# Altium PCB SmartHaloEE.PcbDoc (part 1 of 3)
Units mil, origin at the board's own origin, x right, y up, seen from the top; angles counter-clockwise.
Board outline 2894.86 x 2467.76 mil, 4 copper layers (Top Layer, Ground Plane, Power Plane, Bottom Layer), stack 66 mil thick; 314 components, 165 nets, 803 pads, 366 vias.
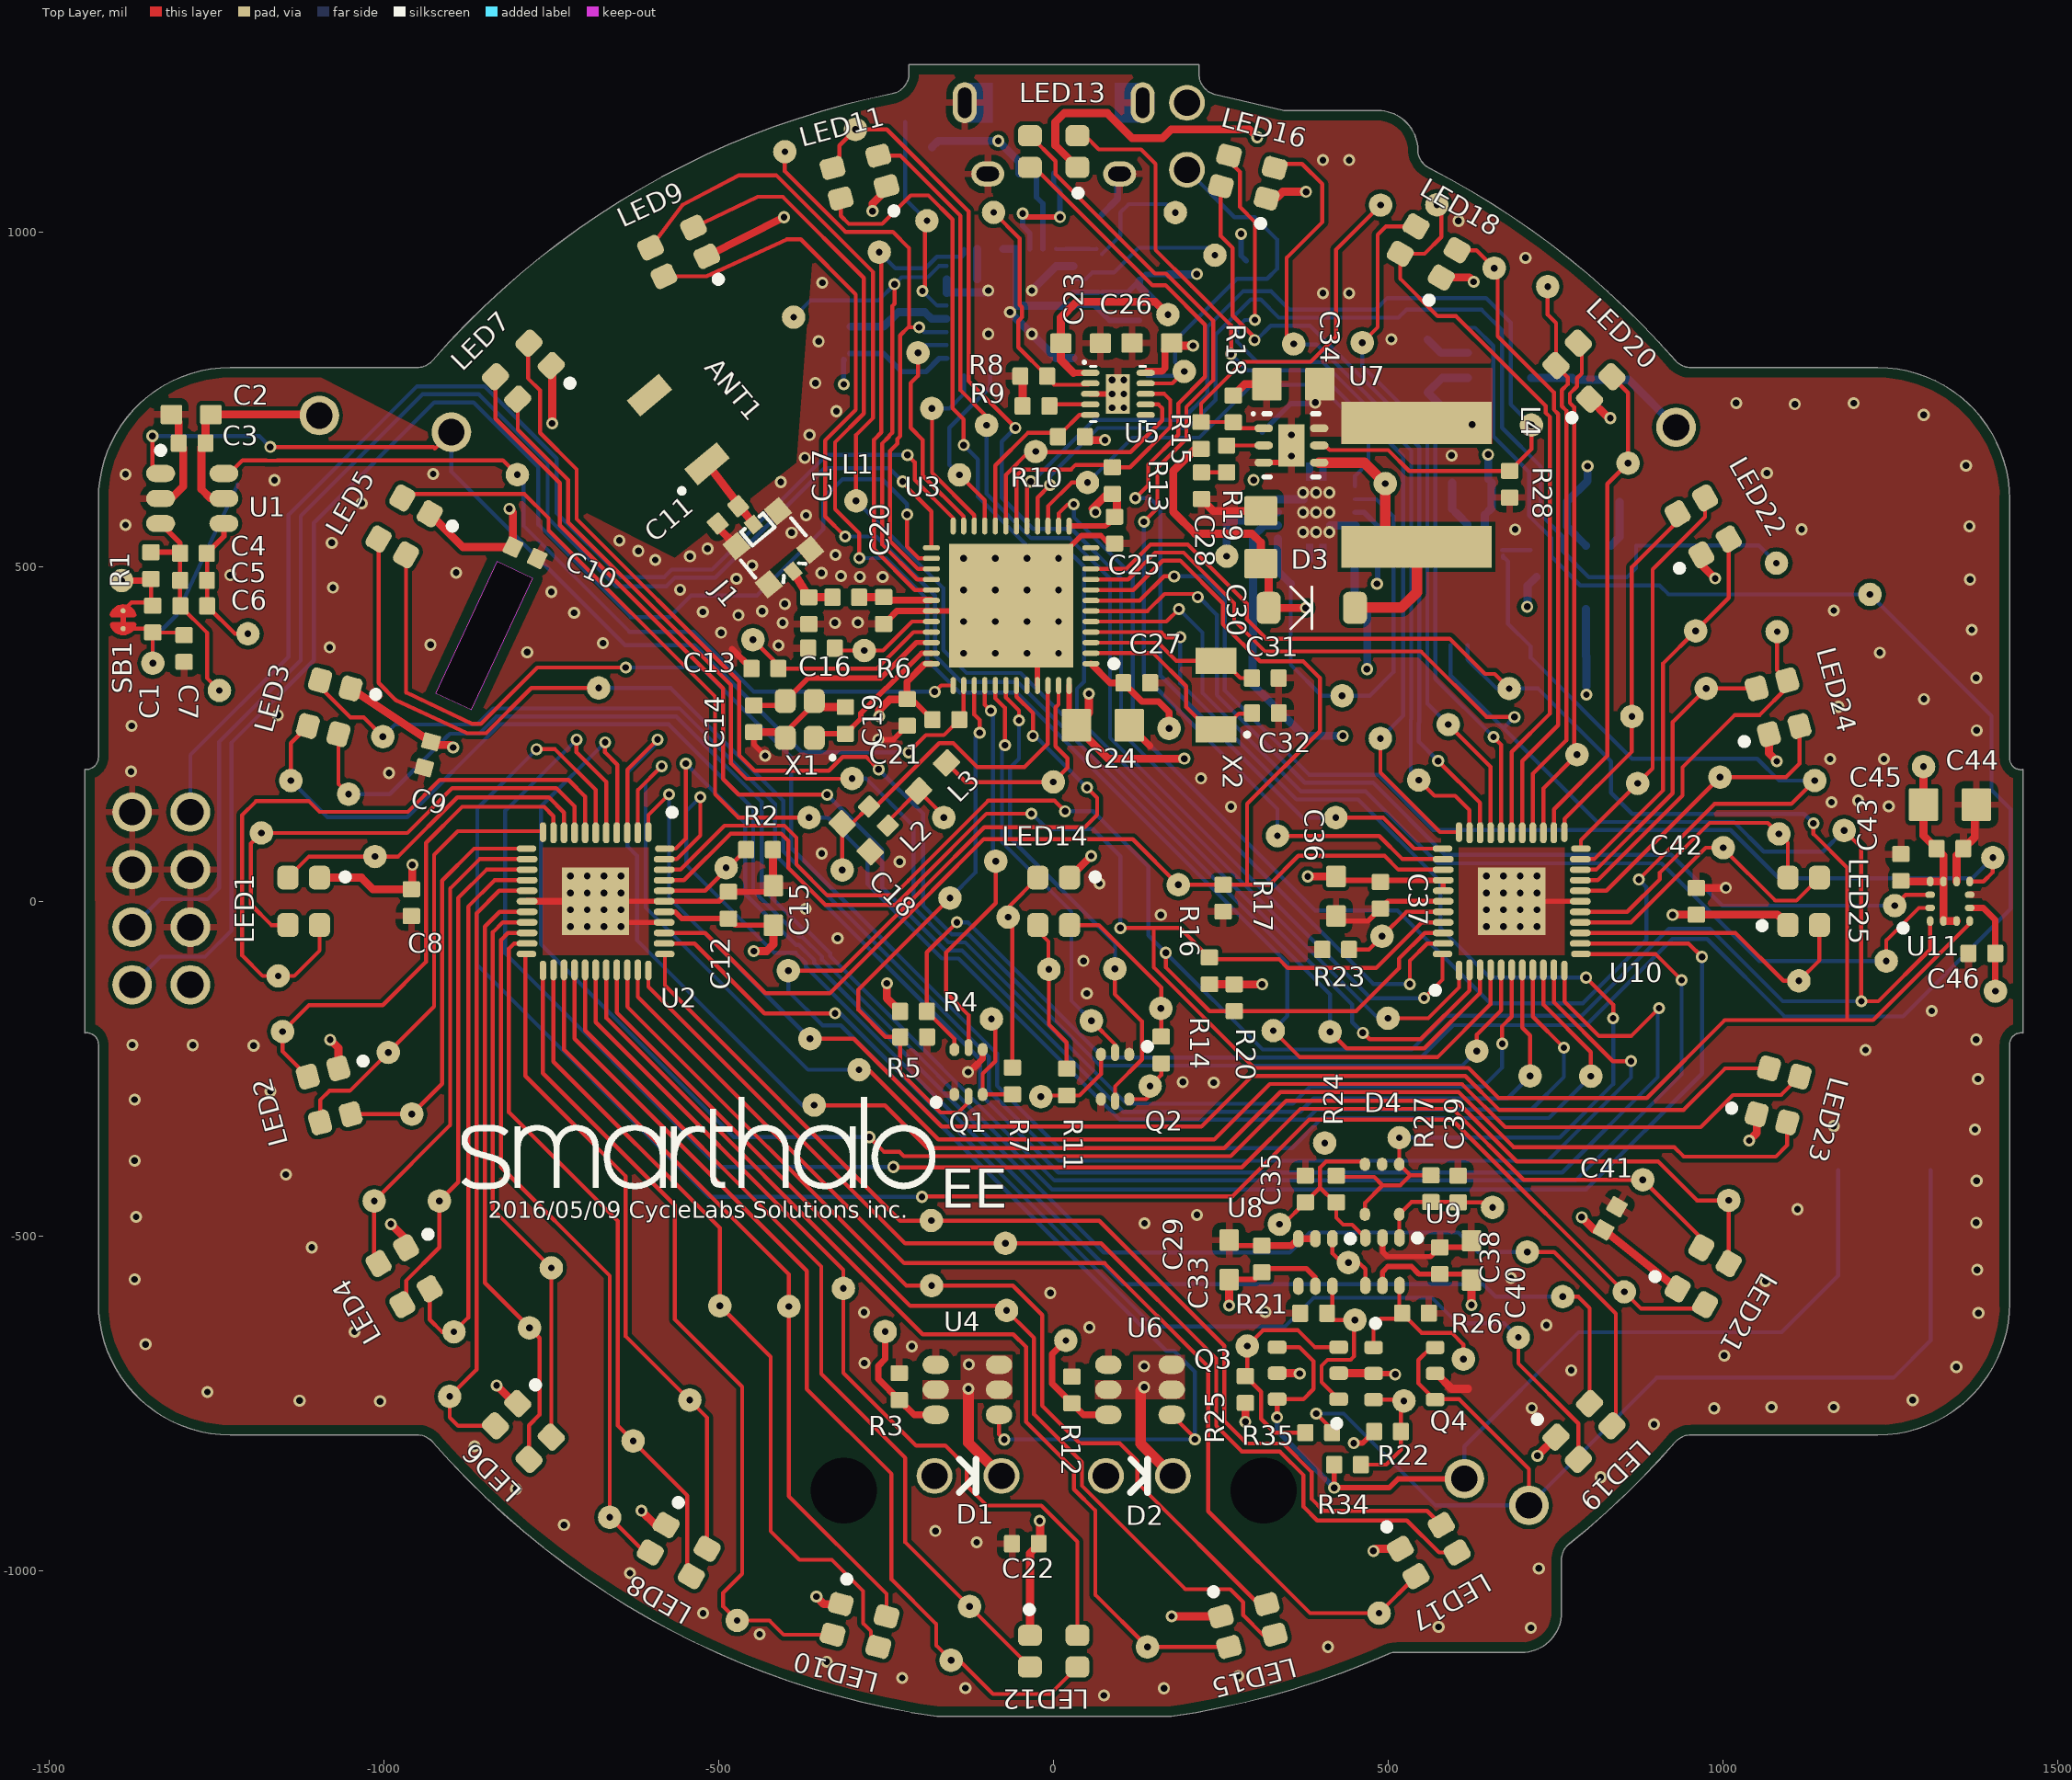
[diagram p0: Top Layer view]
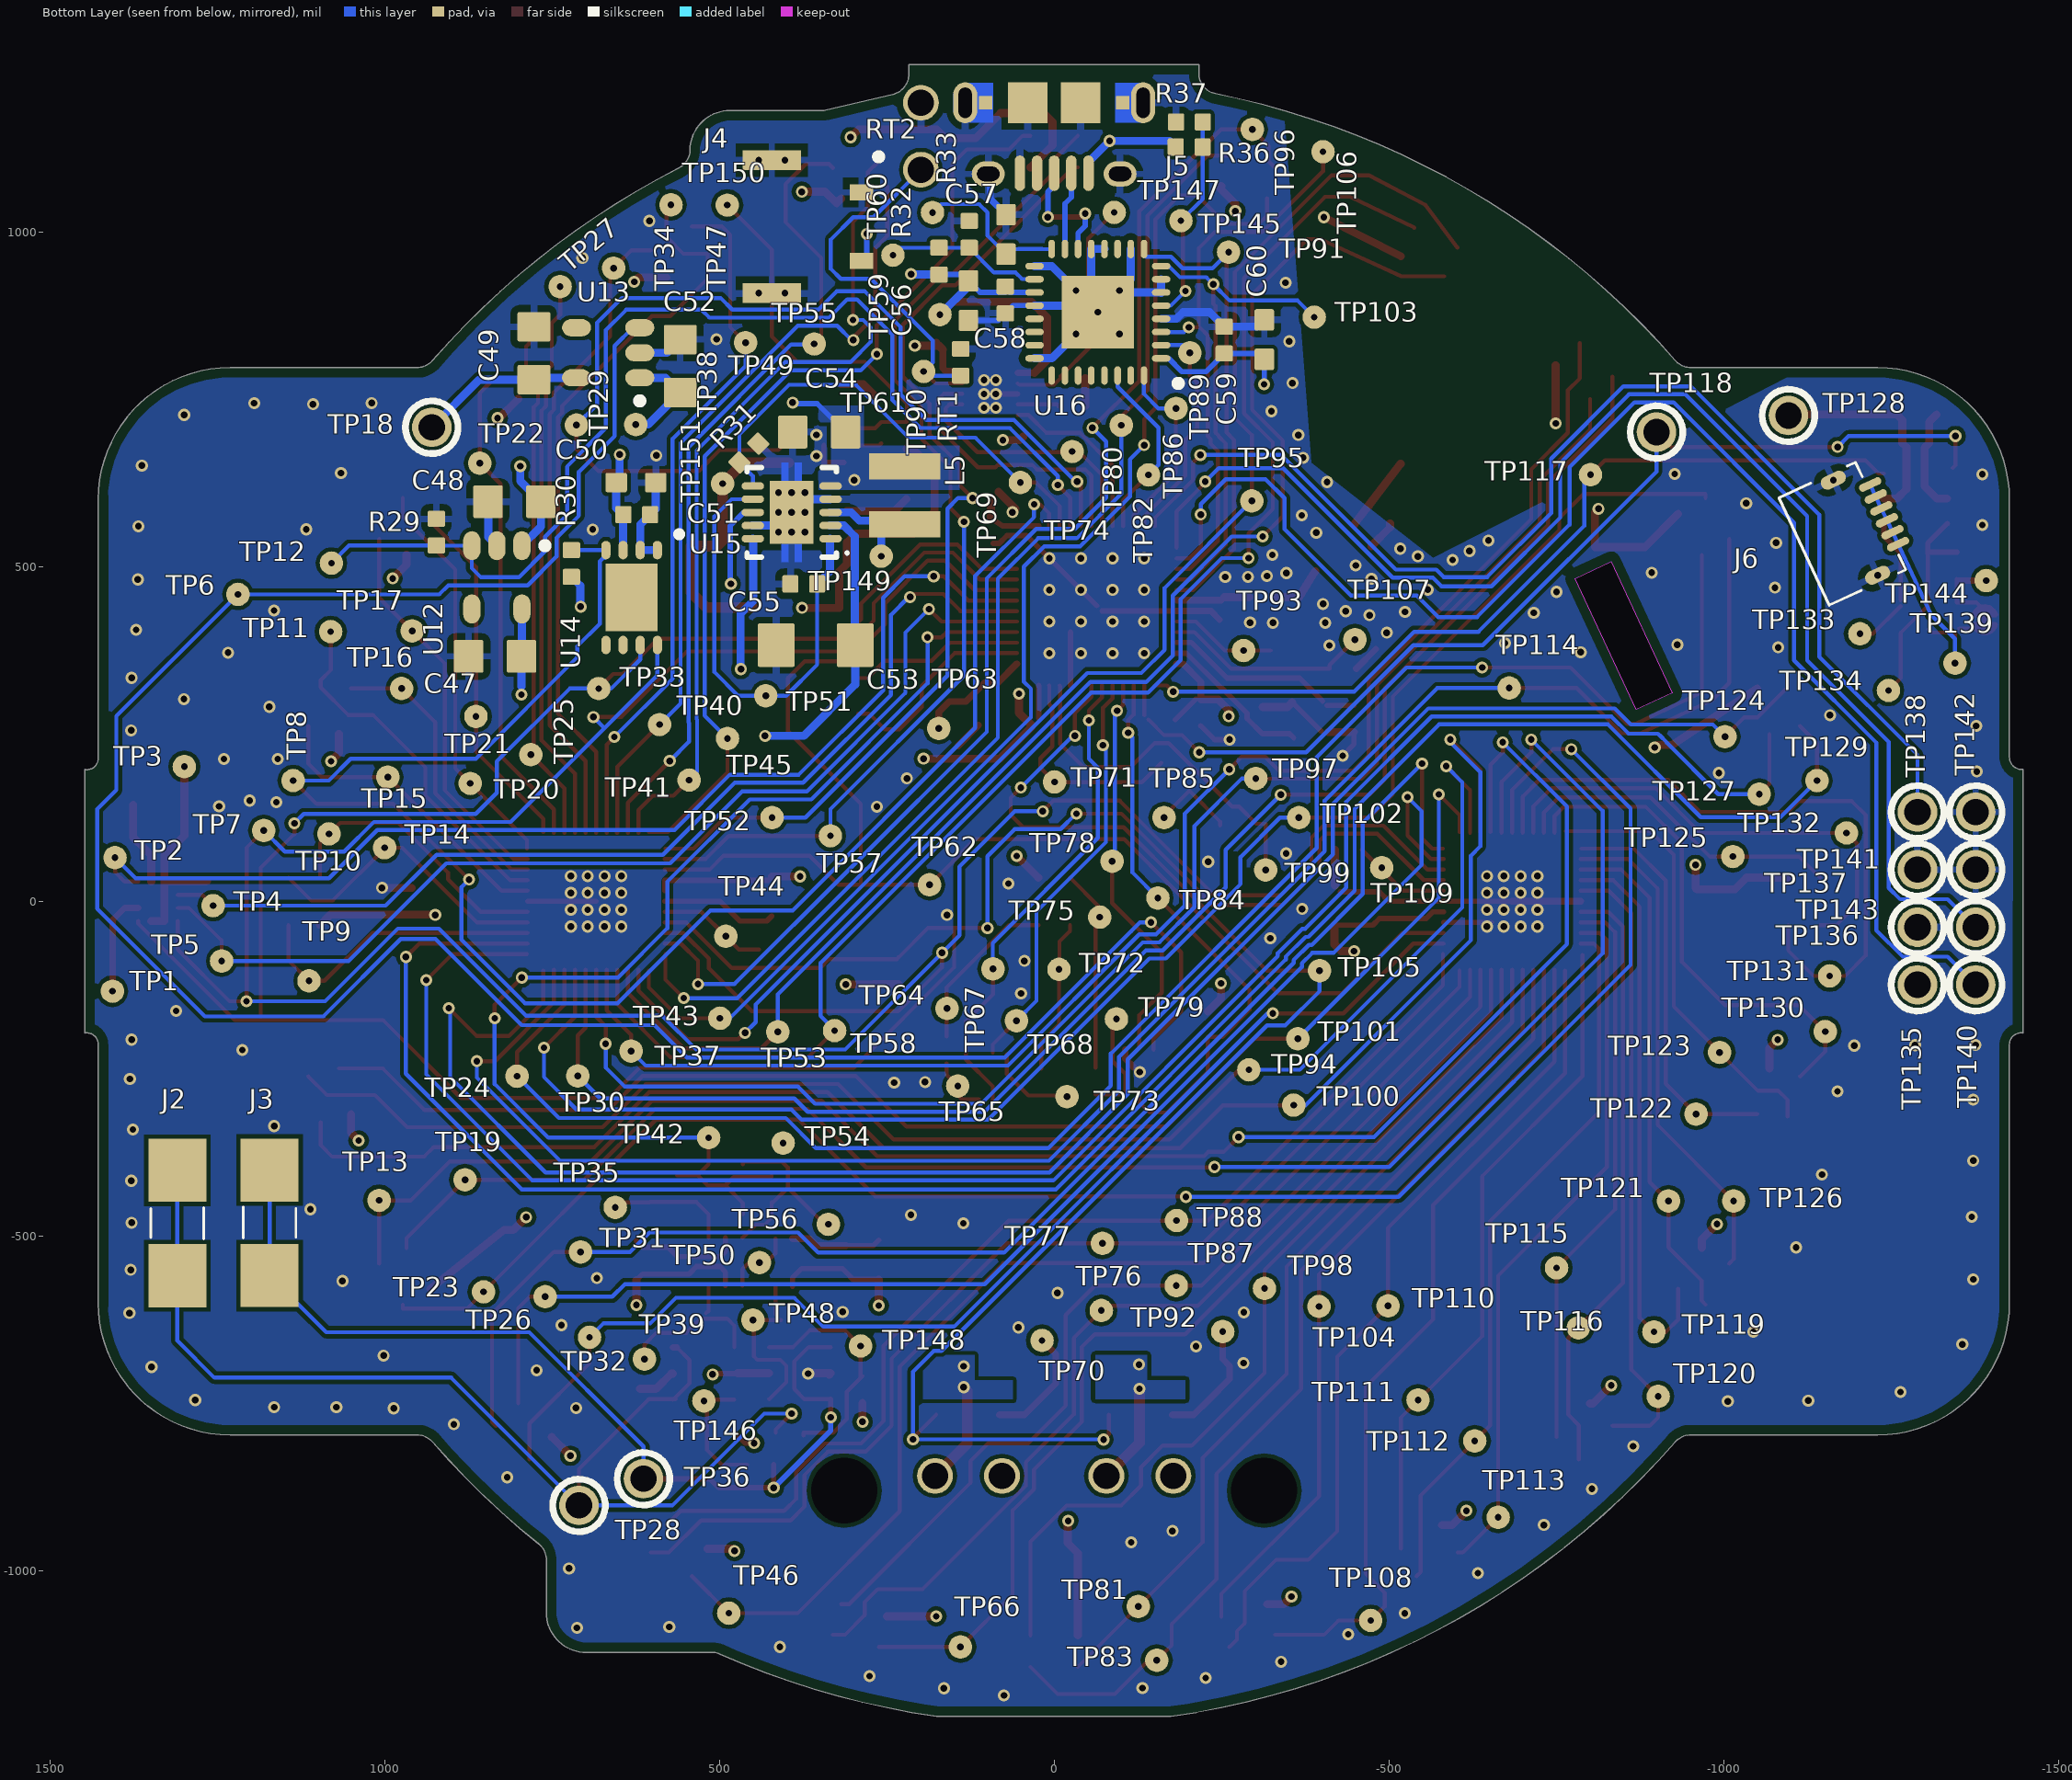
[diagram p1: Bottom Layer view, seen from below]
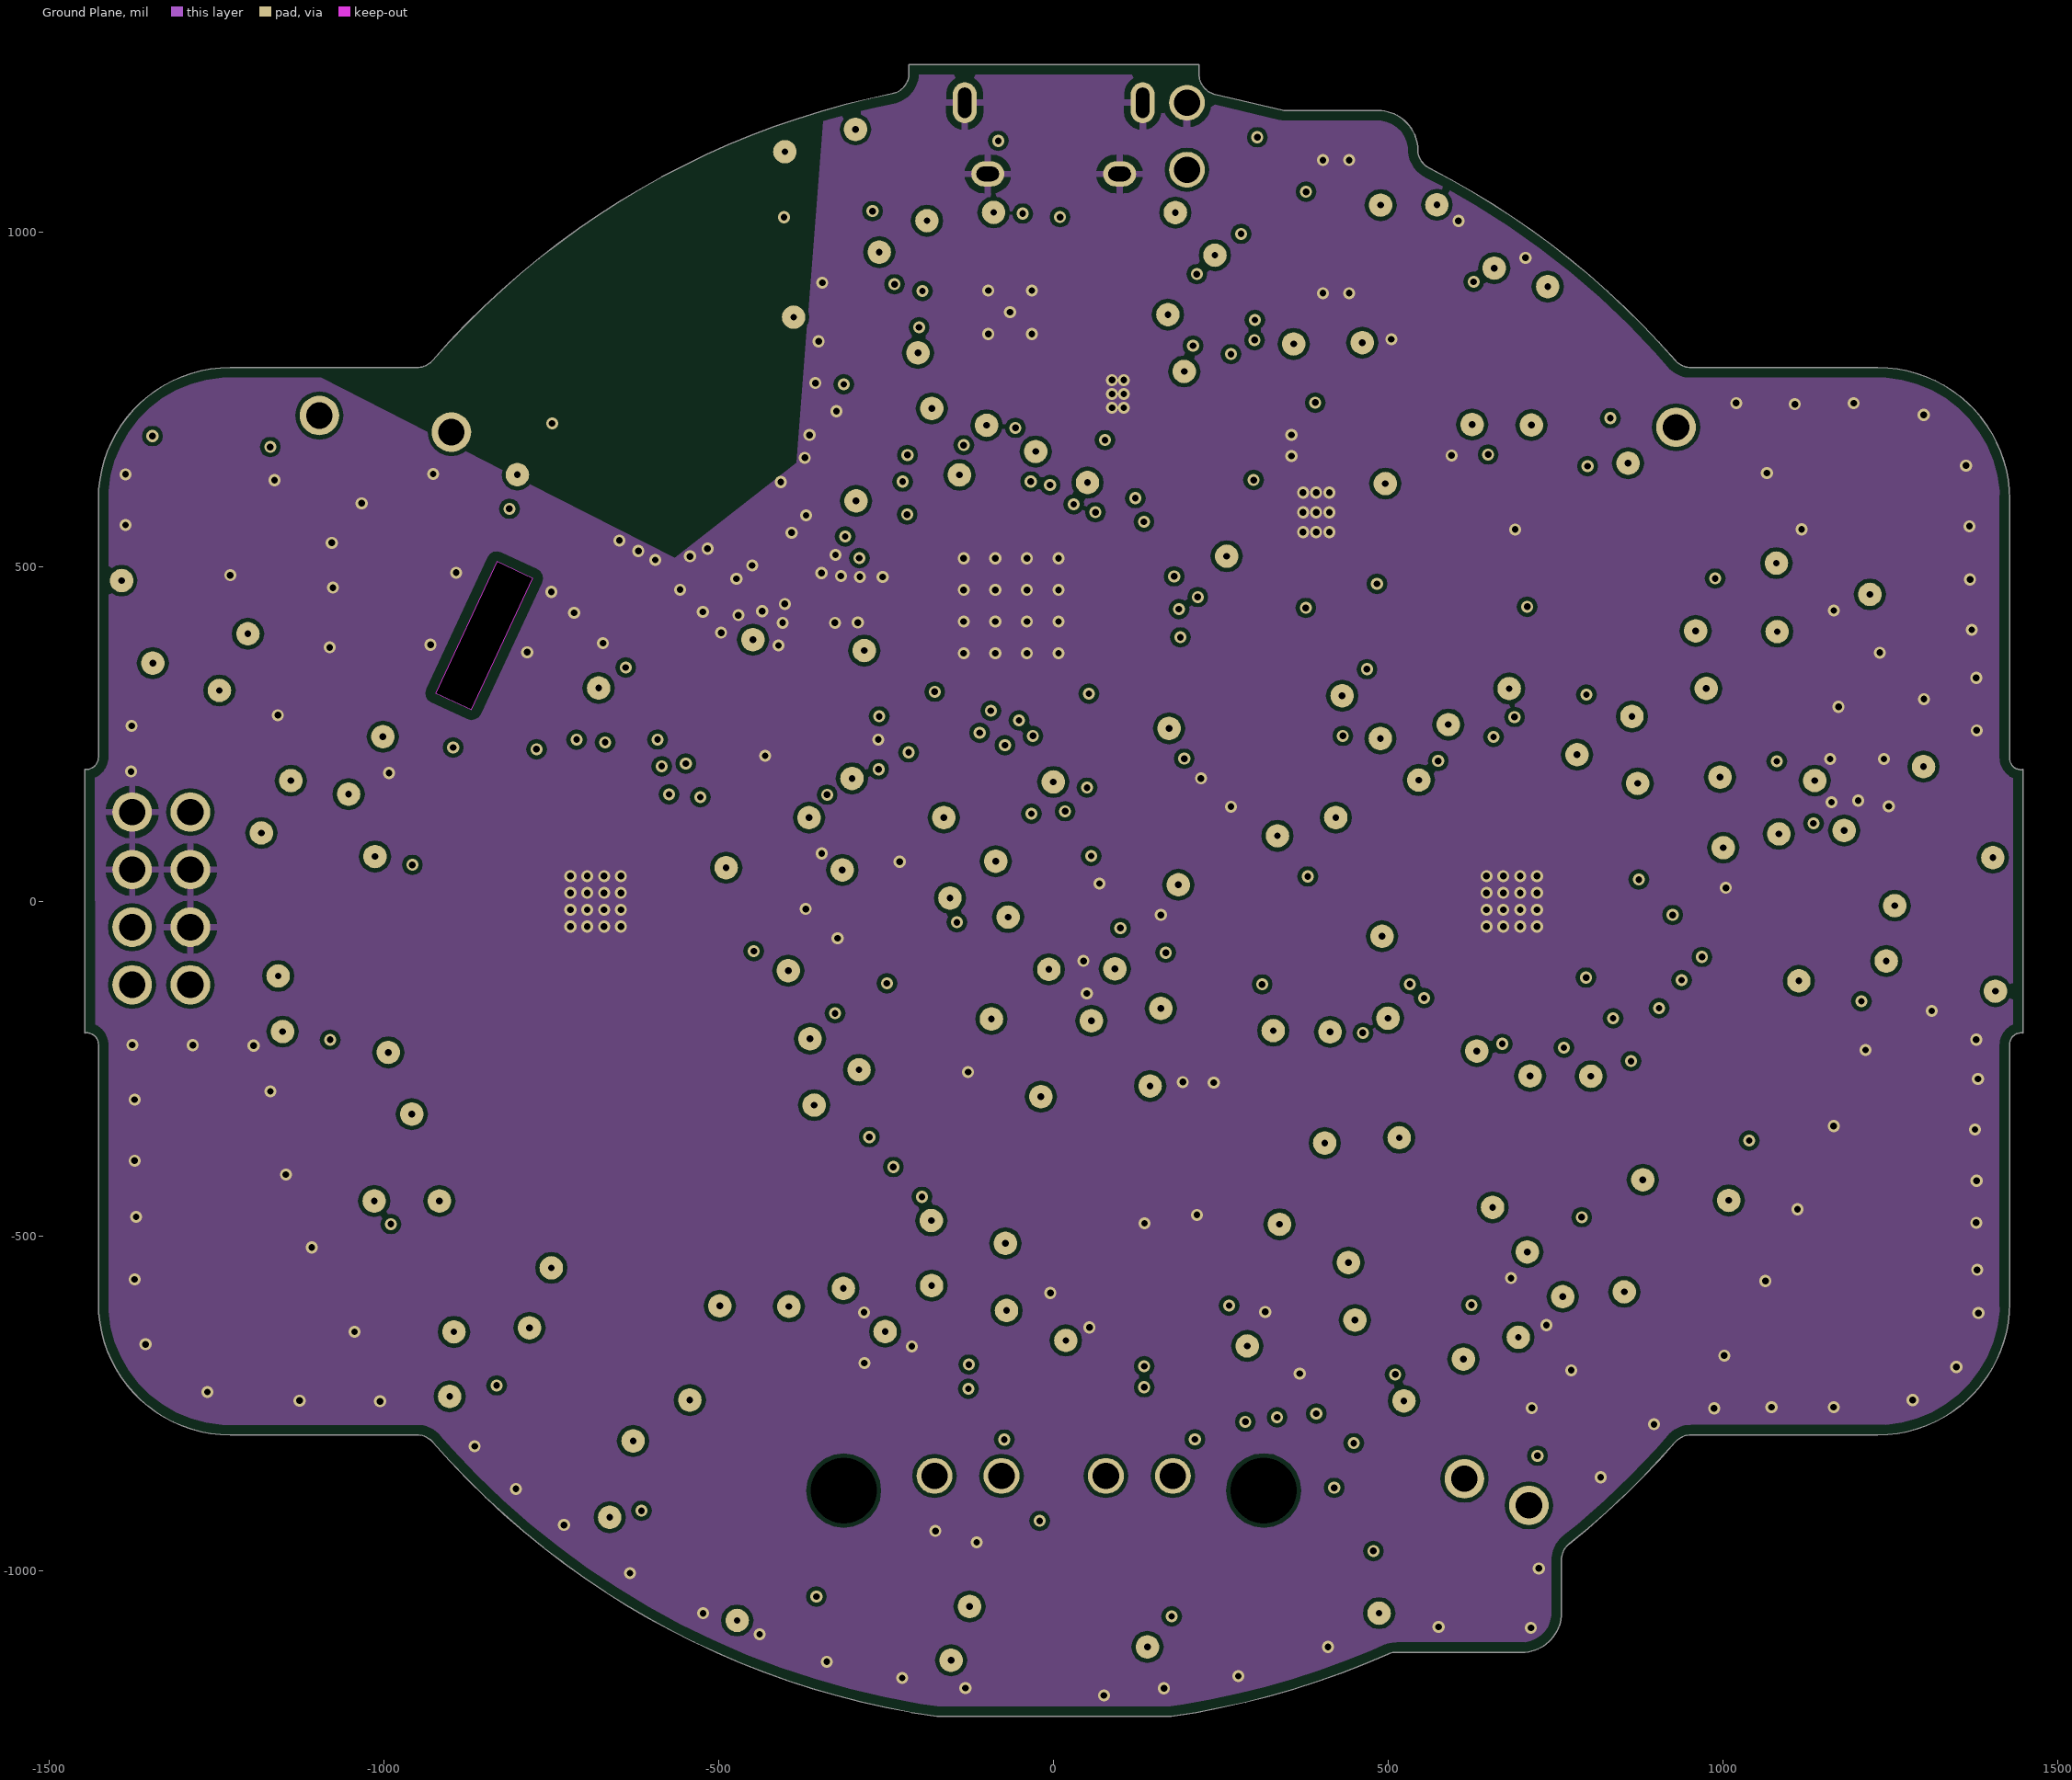
[diagram p2: Ground Plane]